# KiCad board manual.kicad_pcb (continued)
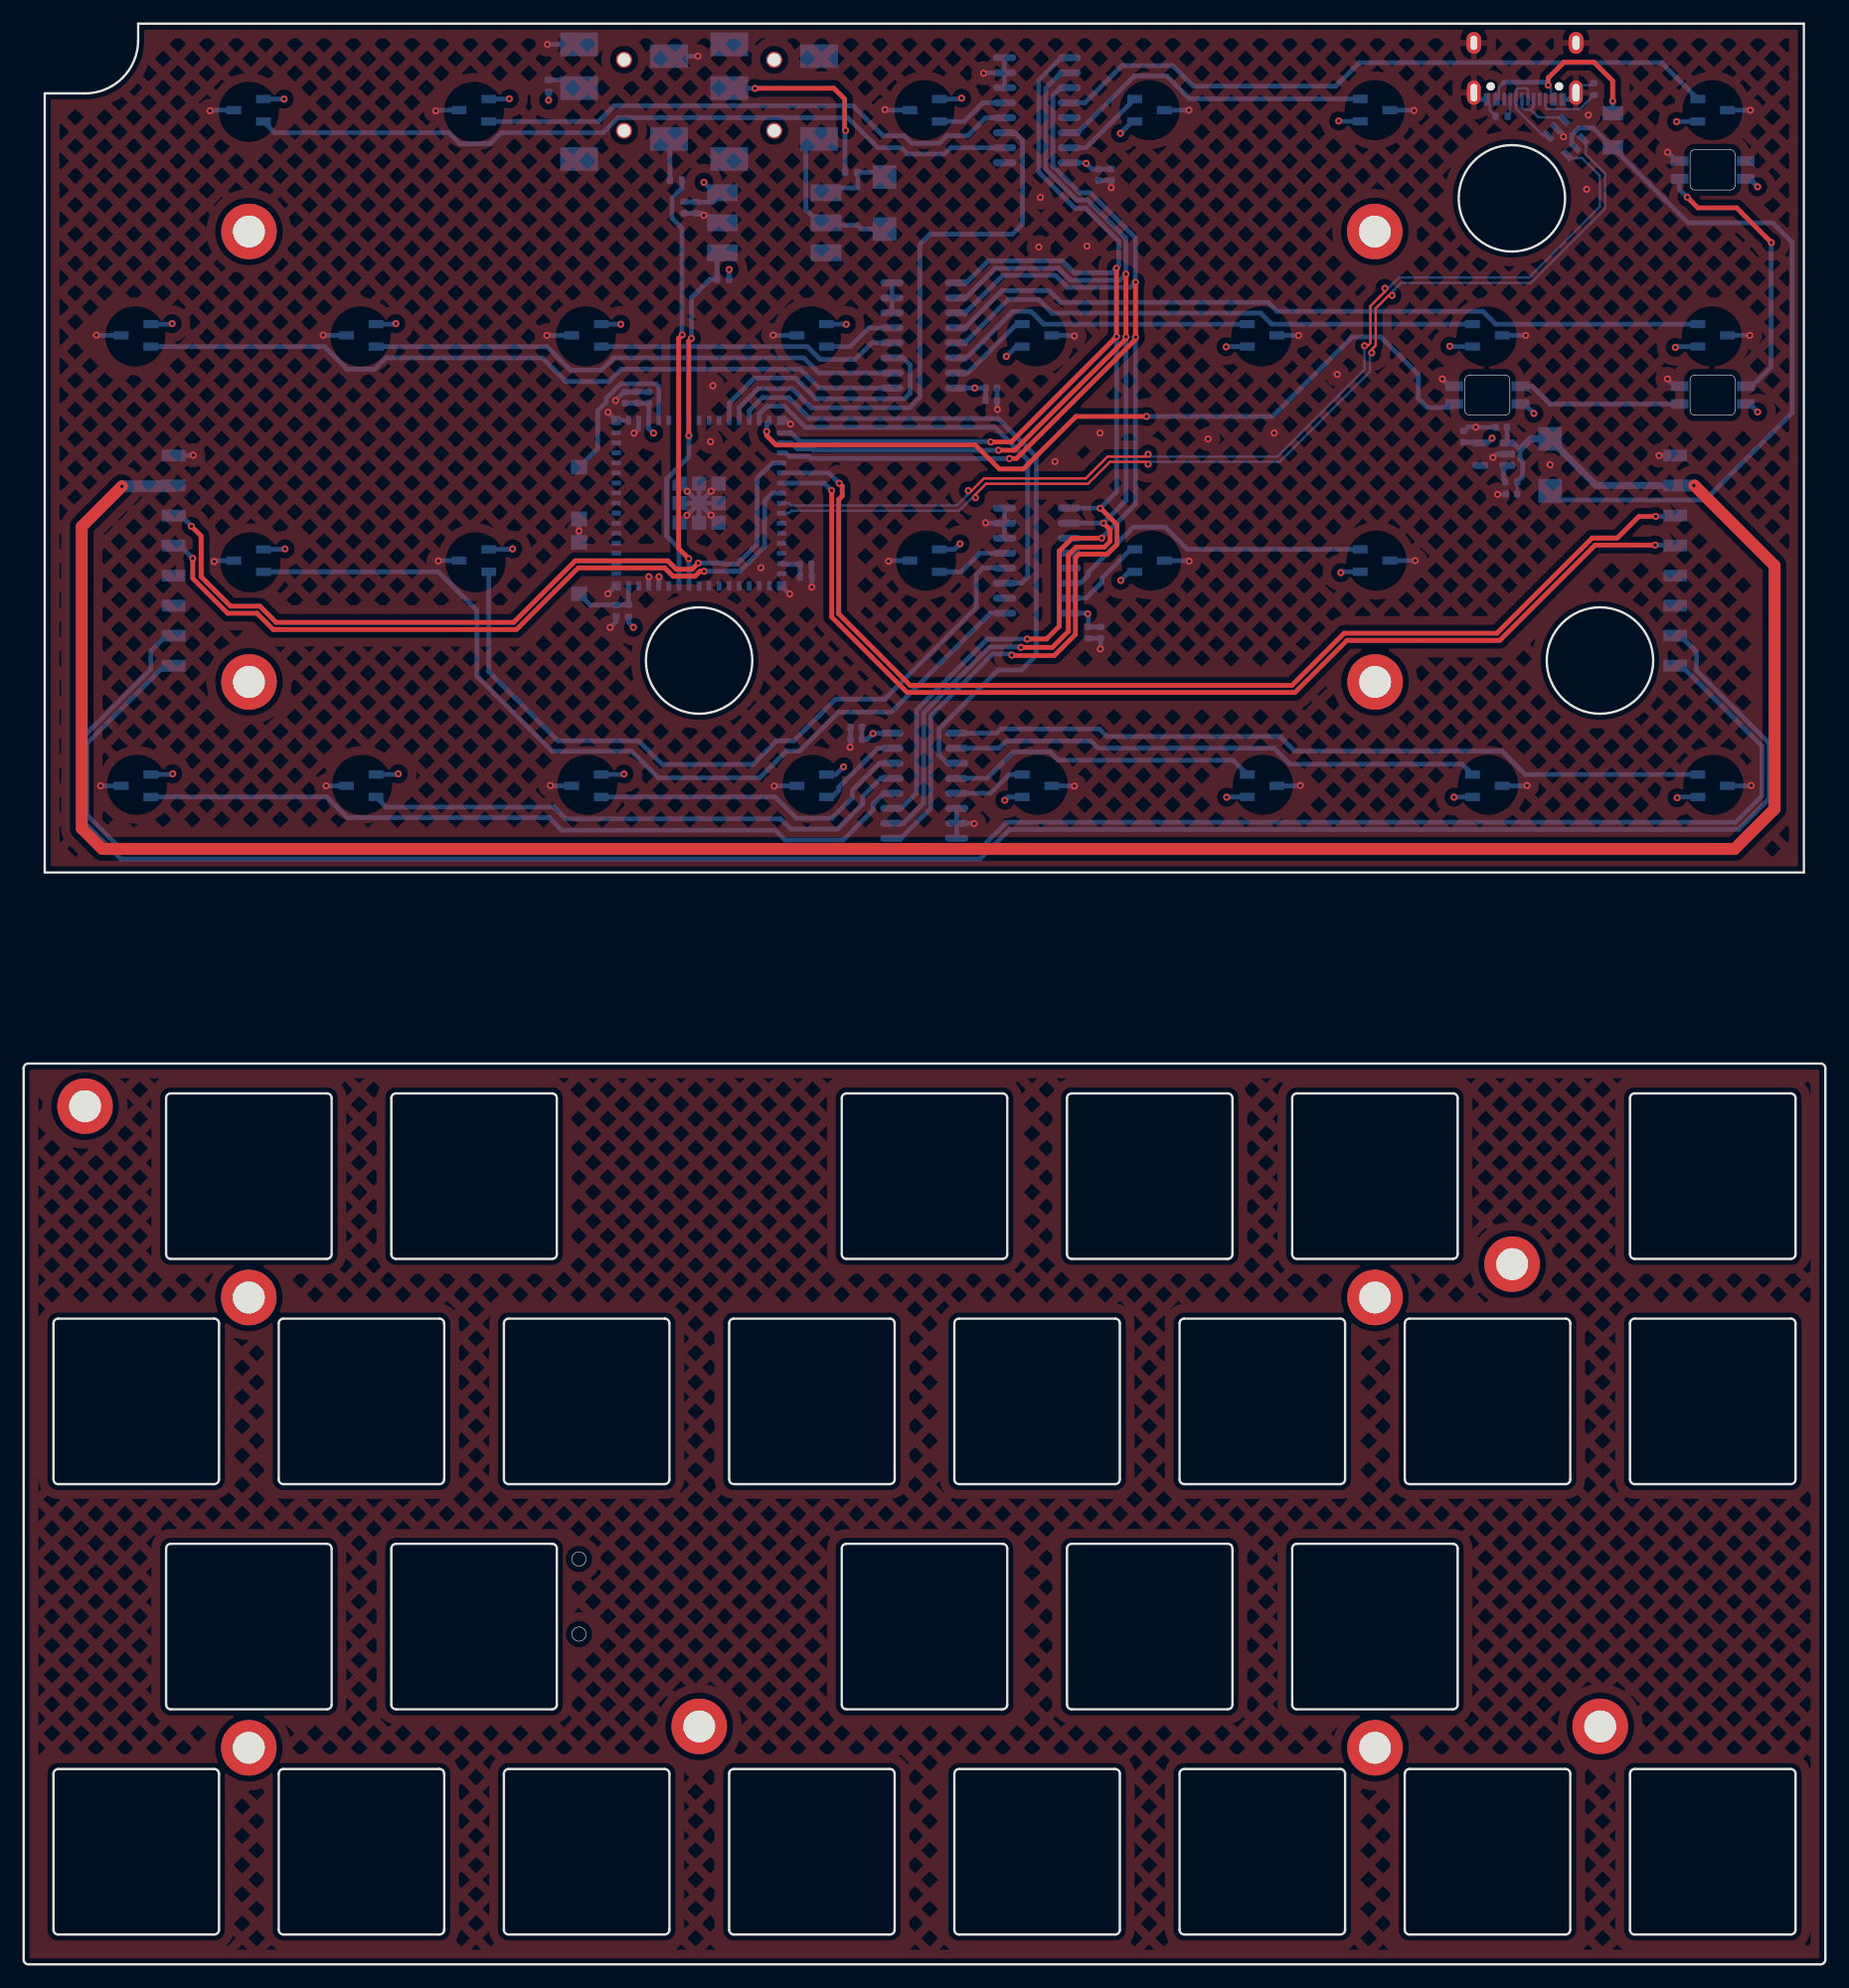
[diagram p0: board, top side]
## Footprints (pads in the part's own frame, mm; a bottom-side part is the same pattern mirrored in y, then rotated)
AUDIO-SMD_PJ-327A5JJ
  round 1.35 hole 1.1: (0,-2.45) (0,3.55)
  rect 3.2x2 smd: 1(3.8,4.85) 2(-3.8,3.85) 3(3.8,1.15) 4(-3.8,-3.15) 5(3.8,-4.85)
C_0402_1005Metric
  rrect 0.56x0.62 smd: 1(-0.48,0) 2(0.48,0)
ESP32-S2-MINI-1U
  rect 0.8x0.4 smd: 1(-7,5.95) 2(-7,5.1) 3(-7,4.25) 4(-7,3.4) 5(-7,2.55) 6(-7,1.7) 7(-7,0.85) 8(-7,0) 9(-7,-0.85) 10(-7,-1.7) 11(-7,-2.55) 12(-7,-3.4) 13(-7,-4.25) 14(-7,-5.1) 15(-7,-5.95) 31(7,-5.95) 32(7,-5.1) 33(7,-4.25) 34(7,-3.4) 35(7,-2.55) 36(7,-1.7) 37(7,-0.85) 38(7,0) 39(7,0.85) 40(7,1.7) 41(7,2.55) 42(7,3.4) 43(7,4.25) 44(7,5.1) 45(7,5.95)
  rect 0.4x0.8 smd: 16(-5.95,-7) 17(-5.1,-7) 18(-4.25,-7) 19(-3.4,-7) 20(-2.55,-7) 21(-1.7,-7) 22(-0.85,-7) 23(0,-7) 24(0.85,-7) 25(1.7,-7) 26(2.55,-7) 27(3.4,-7) 28(4.25,-7) 29(5.1,-7) 30(5.95,-7) 46(5.95,7) 47(5.1,7) 48(4.25,7) 49(3.4,7) 50(2.55,7) 51(1.7,7) 52(0.85,7) 53(0,7) 54(-0.85,7) 55(-1.7,7) 56(-2.55,7) 57(-3.4,7) 58(-4.25,7) 59(-5.1,7) 60(-5.95,7)
  rect 1.2x1.2 smd: 61(-1.65,-1.65) 61(-1.65,0) 61(0,-1.65) 61(0,0) 61(0,1.65) 61(1.65,-1.65) 61(1.65,0) 61(1.65,1.65)
  rrect 1.2x1.2 smd: 61(-1.65,1.65)
  rect 0.8x0.8 smd: 62(-7,7) 63(-7,-7) 64(7,-7) 65(7,7)
F1206
  rect 1.19x1.73 smd: 1(-1.45,0) 2(1.45,0)
HDR-SMD_8P-P2.54-H-F-L11.5
  rect 1x2 smd: 1(-8.89,0) 2(-6.35,0) 3(-3.81,0) 4(-1.27,0) 5(1.27,0) 6(3.81,0) 7(6.35,0) 8(8.89,0)
LED-SMD_L3.2-W2.8-LS5.9_SK6812MINI-E
  rect 1.5x0.82 smd: 1(2.8,0.75) 2(2.8,-0.75) 3(-2.8,-0.75) 4(-2.8,0.75)
MountingHole_2.7mm_M2.5_DIN965_Pad
  round 4.7 hole 2.7: 1(0,0)
R_0402_1005Metric
  rrect 0.54x0.64 smd: 1(-0.51,0) 2(0.51,0)
SMA_L4.3-W2.6-LS5.2-RD
  rect 2x2 smd: 1(-2.2,0) 2(2.2,0)
SMD-6_L7.3-W6.5-P2.54-LS10.2-BL
  rect 1.42x2.6 smd: 1(-2.54,-4.38) 2(0,-4.38) 3(2.54,-4.38) 4(2.54,4.38) 5(0,4.38) 6(-2.54,4.38)
SOIC-16_L9.9-W3.9-P1.27-LS6.0-BL
  oval 0.6x1.97 smd: 1(-4.45,-2.74) 2(-3.18,-2.74) 3(-1.91,-2.74) 4(-0.63,-2.74) 5(0.63,-2.74) 6(1.9,-2.74) 7(3.17,-2.74) 8(4.44,-2.74) 9(4.44,2.74) 10(3.17,2.74) 11(1.9,2.74) 12(0.63,2.74) 13(-0.63,2.74) 14(-1.91,2.74) 15(-3.18,2.74) 16(-4.45,2.74)
SOT-23-3_L2.9-W1.6-P1.90-LS2.8-BR-CW
  rect 1.25x0.7 smd: 1(1.25,-0.95) 2(-1.25,0) 3(1.25,0.95)
SOT-23-5
  rrect 1.325x0.6 smd: 1(-1.137,0.95) 2(-1.137,0) 3(-1.137,-0.95) 4(1.137,-0.95) 5(1.137,0.95)
SOT-23-6_L2.9-W1.6-P0.95-LS2.8-BL
  rect 0.53x1.07 smd: 1(-0.95,-1.15) 2(0,-1.15) 3(0.95,-1.15) 4(0.95,1.15) 5(0,1.15) 6(-0.95,1.15)
SW-SMD_L3.9-W3.0-P4.45
  rect 1.23x1.36 smd: 1(-2.18,0) 2(2.18,0)
USB-C-SMD_TYPE-C-6PIN-2MD-073
  round 0.7 hole 0.7 unplated: (-2.89,1.3) (2.89,1.3)
  rect 0.555x1.07 smd: 1(-3.203,2.395)
  rect 0.55x1.1 smd: 2(-2.4,2.38) 11(2.4,2.38)
  rect 0.3x1.1 smd: 3(-1.75,2.38) 4(-1.25,2.38) 5(-0.75,2.38) 6(-0.25,2.38) 7(0.25,2.38) 8(0.75,2.38) 9(1.25,2.38) 10(1.75,2.38)
  rect 0.55x1.07 smd: 12(3.2,2.395)
  oval 1.25x1.85 hole 0.6x1.2: 13(-4.32,-2.38) 14(4.32,-2.38)
  oval 1.15x2.05 hole 0.6x1.5: 13(-4.32,1.83) 14(4.32,1.83)

## Nets
+3V3: C1.1 C2.2 C3.2 C4.1 C5.2 C6.1 C7.2 C8.1 C9.2 C10.1 C24.1 C44.1 C45.1 C46.1 H0.1 H1.1 H2.1 H3.1 H4.1 H5.1 H6.1 H7.1 H10.1 H11.1 H12.1 H14.1 H15.1 H16.1 H17.1 H18.1 H19.1 H20.1 H21.1 H22.1 H23.1 H24.1 H26.1 H27.1 H28.1 H30.1 H31.1 LED1.1 LED2.1 LED3.1 R21.2 R23.1 R47.2 U1.3 U2.5 U4.16 U5.16 U6.16 U7.16 U10.6
GND: C1.2 C2.1 C3.1 C4.2 C5.1 C6.2 C7.1 C8.2 C9.1 C10.2 C11.2 C24.2 C25.2 C43.2 C44.2 C45.2 C46.2 C47.2 CN1.1 CN1.2 D2.2 H0.2 H1.2 H2.2 H3.2 H4.2 H5.2 H6.2 H7.2 H10.2 H11.2 H12.2 H14.2 H15.2 H16.2 H17.2 H18.2 H19.2 H20.2 H21.2 H22.2 H23.2 H24.2 H26.2 H27.2 H28.2 H30.2 H31.2 J2.8 J3.1 LED1.3 LED2.3 LED3.3 R3.1 R5.1 R58.2 SW3.2 SW4.2 U1.1 U1.2 U1.42 U1.43 U1.46 U1.47 U1.48 U1.49 U1.50 U1.51 U1.52 U1.53 U1.54 U1.55 U1.56 U1.57 U1.58 U1.59 U1.60 U1.61 U1.62 U1.63 U1.64 U1.65 U2.2 U4.6 U4.7 U4.8 U5.6 U5.7 U5.8 U6.6 U6.7 U6.8 U7.6 U7.7 U7.8 U10.5 USB1.1 USB1.12 USB1.13 USB1.14
AUDIO_L_IN: J2.2 J3.7
AUDIO_R_IN: J2.1 J3.8
DN: D2.6 U1.23
DN_PRE: D2.1 USB1.5 USB1.7
DP: D2.4 U1.24
DP_PRE: D2.3 USB1.6 USB1.8
ESP_BOOT0: SW3.1 U1.4
ESP_DBLTAP: C47.1 R58.1 U1.29
ESP_RST: C43.1 R47.1 SW4.1 U1.45
HEADER_VBUS: C11.1 C25.1 D3.1 J2.7 J3.2 R4.2 U2.1
MIDI_0_RX: R21.1 U1.40 U10.4
MIDI_0_TX: R24.1 U1.39
MIDI_1_RX: J2.6 U1.19
MIDI_1_TX: J3.3 U1.20
NEO: LED2.4 U1.15
R1_OUT: U1.13 U4.3
R2_OUT: U1.14 U5.3
R3_OUT: U1.11 U6.3
R4_OUT: U1.12 U7.3
SEL_A: U1.18 U4.11 U5.11 U6.11 U7.11
SEL_B: U1.17 U4.10 U5.10 U6.10 U7.10
SEL_C: U1.16 U4.9 U5.9 U6.9 U7.9
SMIDI_0_RX: J3.4 U1.21
SMIDI_0_TX: J2.5 U1.22
USB_VBUS: D2.5 D3.2 F1.2
Net-(CN1-Pad3): CN1.3 R23.2
Net-(CN1-Pad4): CN1.4 R24.2
Net-(CN2-Pad3): CN2.3 R22.2
Net-(D1-A): CN2.4 D1.2 U10.2
Net-(D1-K): D1.1 R22.1 U10.1
Net-(F1-Pad1): F1.1 USB1.2 USB1.11
Net-(H0-VOUT): H0.3 U4.1
Net-(H1-VOUT): H1.3 U4.2
Net-(H2-VOUT): H2.3 U4.4
Net-(H3-VOUT): H3.3 U4.5
Net-(H4-VOUT): H4.3 U4.15
Net-(H5-VOUT): H5.3 U4.14
Net-(H6-VOUT): H6.3 U4.13
Net-(H7-VOUT): H7.3 U4.12
Net-(H10-VOUT): H10.3 U5.14
Net-(H11-VOUT): H11.3 U5.15
Net-(H12-VOUT): H12.3 U5.5
Net-(H14-VOUT): H14.3 U5.4
Net-(H15-VOUT): H15.3 U5.1
Net-(H16-VOUT): H16.3 U6.12
Net-(H17-VOUT): H17.3 U6.13
Net-(H18-VOUT): H18.3 U6.14
Net-(H19-VOUT): H19.3 U6.15
Net-(H20-VOUT): H20.3 U6.5
Net-(H21-VOUT): H21.3 U6.4
Net-(H22-VOUT): H22.3 U6.2
Net-(H23-VOUT): H23.3 U6.1
Net-(H24-VOUT): H24.3 U7.12
Net-(H26-VOUT): H26.3 U7.14
Net-(H27-VOUT): H27.3 U7.15
Net-(H28-VOUT): H28.3 U7.5
Net-(H30-VOUT): H30.3 U7.4
Net-(H31-VOUT): H31.3 U7.2
Net-(LED1-DIN): LED1.4 LED2.2
Net-(LED1-DOUT): LED1.2 LED3.4
Net-(U2-EN): R4.1 U2.3
Net-(USB1-CC1): R3.2 USB1.4
Net-(USB1-CC2): R5.2 USB1.10

Pads without a net: CN1 5; CN2 1 2 5; J2 3 4; J3 5 6; LED3 2; REF** 1; REF**#2 1; REF**#3 1; REF**#4 1; REF**#5 1; REF**#6 1; REF**#7 1; REF**#8 1; REF**#9 1; REF**#10 1; REF**#11 1; REF**#12 1; U1 5 6 7 8 9 10 25 26 27 28 30 31 32 33 34 35 36 37 38 41 44; U2 4; U5 2 12 13; U7 1 13; U10 3; USB1 3 9

## Via types
v1: diameter 0.6, hole 0.3, Top to Bottom, 160 vias

## Routing (per net, layer and track width the routed paths; a pad name or vN(x,y) marks a point on that pad's centre or on a via; arc(x,y) is an arc through that point)
+3V3: length 82.9
  Bottom w0.4: v1(41.36,119.74) 41.33,119.7 H14.1 39.33,119.69 ; 123.4,128.7 123.81,128.7 v1(124.21,129.1) ; H30.1 41.07,157.79 v1(41.08,157.81) ; v1(31.48,138.79) 31.44,138.75 H22.1 ; C2.2 C10.1 80.46,133.34 v1(80.45,133.35) 80.45,133.34 U6.16 ; H17.1 120.67,136.84 v1(120.63,136.88) ; v1(92.77,154.89) 93.78,155.89 H27.1 ; v1(51.57,113.1) 51.16,113.51 R47.2 ; LED3.1 145.99,151.04 v1(146.67,150.37) ; v1(57.54,150.75) 58.43,149.86 U10.6 58.32,149.08 C8.1 56.87,149.1 C3.2 ; v1(146.67,131.32) 145.99,132 LED1.1 ; R23.1 v1(44.4,157.68) ; v1(53.29,129.53) 53.26,129.53 52.88,129.91 U1.3 52.88,132.05 C46.1 C45.1 C44.1 ; 29.81,100.64 31.62,100.64 v1(31.68,100.71) ; v1(83.12,136.02) 83.95,136.84 H19.1 84,136.84 ; v1(139.86,98.68) 139.93,98.74 H0.1 ; H16.1 139.78,136.84 v1(139.71,136.78) ; v1(92.8,117.07) 93.52,117.79 H11.1 ; H28.1 79.27,157.79 v1(79.33,157.86) ; 73.44,104.14 71.87,104.14 v1(71.84,104.11) 71.37,103.64 C1.1 C9.2 ; 10.76,100.64 12.54,100.64 v1(12.61,100.71) ; C6.1 90.94,151.87 C5.2 90.36,151.86 v1(89.88,152.35) 89.83,152.39 U7.16 ; v1(120.99,98.73) 121.01,98.74 H1.1 ; H24.1 139.83,155.89 v1(139.81,155.88) ; 48.86,100.64 50.74,100.64 v1(50.79,100.69) ; H3.1 83.26,98.74 v1(82.99,98.48) ; H31.1 22.02,157.79 v1(22.03,157.78) ; H23.1 12.52,138.75 v1(12.56,138.79) ; v1(101.76,98.73) 101.78,98.74 H2.1 ; C4.1 91.08,113.13 C7.2 90.05,114.2 v1(90,114.25) 89.96,114.29 U5.16 ; v1(111.41,117.73) 111.49,117.8 H10.1 113.05,117.79 ; v1(127.75,131.19) 126.94,132 126.61,132 ; R21.2 v1(59.68,143.37) ; v1(101.71,136.83) 101.73,136.84 H18.1 ; v1(50.51,138.73) 50.5,138.75 H21.1 ; C24.1 123.17,128.76 U2.5 ; H15.1 22.07,119.69 v1(22.11,119.74) ; 113.05,155.89 H26.1 111.27,155.9 v1(111.24,155.93) ; v1(79.21,120.17) 78.74,119.69 H12.1 ; 68.37,100.64 67.91,100.64 68.7,100.64 v1(69.35,101.3) ; v1(69.58,138.73) 69.57,138.75 H20.1
GND: length 136.5
  Bottom w0.2: R5.1 132.63,158.96 131.41,158.96 131.3,158.86 USB1.14 ; R3.1 124.04,156.79 124.04,156.93 124.01,156.93 124.01,157.24 123.78,157.46 USB1.1 ; C11.2 125.01,124.37 125,124.35 v1(124.69,124.35)
  Bottom w0.4: 82.97,120.64 82.97,121.91 ; 82.97,121.91 82.97,123.18 ; 82.97,121.91 81.4,121.91 v1(81.37,121.95) ; 125.68,127.75 124.57,127.75 v1(124.29,127.47) 124.29,127.47 ; U1.2 52.03,129.89 51.66,129.52 v1(51.62,129.52) ; USB1.12 130.74,157.76 USB1.14 ; H24.2 v1(146.06,156.84) ; 82.97,160.01 82.97,158.74 ; 82.97,160.01 82.97,161.28 ; 82.97,160.01 81.23,160.01 v1(81.19,159.97) ; U4.7 80.37,96.52 v1(80.4,96.49) ; U4.7 U4.6 ; U4.7 U4.8 78.35,95.25 ; 17.79,118.75 H15.2 16.19,118.74 v1(16.11,118.67) ; LED2.3 120.62,133.5 v1(120,134.11) ; v1(146.14,99.72) 146.11,99.69 H0.2 ; v1(98.59,118.69) 98.54,118.74 H11.2 96.49,118.75 ; C47.2 66.62,117.41 R58.2 66.68,116.51 v1(66.66,116.5) ; D2.2 129.66,155.34 130.25,154.75 v1(130.25,154.6) ; 140.06,152.54 139.79,152.54 v1(139.05,153.29) ; 140.06,133.5 139.67,133.5 v1(139.05,134.11) ; U1.61 v1(58.14,122.59) U1.61 ; U1.61 v1(56.12,124.61) U1.61 ; U1.61 U1.61 ; U1.61 v1(56.1,122.58) U1.61 ; U1.61 U1.61 ; U1.61 U1.61 ; U1.61 57.94,124.42 ; U1.61 U1.61 ; SW3.2 v1(46.98,121.25) SW4.2 ; H4.2 63.51,99.69 v1(63.48,99.67) ; CN1.1 44.31,162.41 v1(44.31,162.41) ; v1(72.86,156.9) 72.91,156.84 H28.2 ; v1(52.88,117.38) 52.88,117.38 U1.43 ; v1(53.75,117.38) 53.73,117.36 U1.42 ; U1.63 64.55,130.61 v1(64.87,130.29) ; U10.5 58.48,147.32 57.85,147.95 v1(57.52,147.95) 57.35,148.12 C8.2 56.87,148.14 C3.1 ; H14.2 35.12,118.75 v1(35.09,118.72) ; C10.2 C2.1 82.34,131.56 v1(82.37,131.53) ; H21.2 v1(44.26,137.79) ; v1(44.56,99.72) 44.59,99.69 H5.2 ; H27.2 v1(98.56,156.84) ; H6.2 v1(25.59,99.69) ; v1(49.41,115.94) 50.08,116.61 U1.65 ; v1(117.61,156.82) 117.58,156.85 H26.2 115.55,156.84 ; H1.2 127.14,99.69 v1(127.16,99.72) ; U6.8 U6.7 U6.6 ; H20.2 63.43,137.79 v1(63.41,137.82) ; v1(49.6,113.09) 49.62,113.09 50.12,113.6 C43.2 ; H10.2 117.71,118.75 v1(117.71,118.74) ; H22.2 25.36,137.79 v1(25.33,137.82) ; H17.2 v1(127.06,137.79) ; C5.1 91.97,150.9 C6.2 91.98,150.3 v1(92,150.29) ; v1(50.07,132.28) 50.07,132.31 50.78,133.02 C44.2 C45.2 C46.2 ; U1.1 U1.62 50.11,130.61 v1(49.43,131.29) ; C24.2 121.85,129.72 122.2,130.07 122.78,130.07 v1(122.82,130.03) 122.83,130.02 C25.2 ; v1(57.03,161.42) 57.03,161.41 CN1.2 ; J2.8 14.31,127.63 v1(14.34,127.66) ; v1(88.88,137.74) 88.83,137.79 H19.2 ; v1(91.07,111.27) 91.09,111.29 C4.2 91.08,112.17 C7.1 ; USB1.13 123.23,157.76 USB1.1 ; 7.99,99.69 H7.2 v1(6.51,99.69) ; H12.2 73.21,118.74 v1(73.16,118.69) ; v1(6.16,137.82) 6.18,137.79 H23.2 ; v1(138.34,127.63) J3.1 ; U1.64 64.13,116.59 v1(64.79,115.92) ; 57.94,124.42 v1(58.14,124.62) ; 57.94,124.42 U1.61 ; H18.2 v1(107.83,137.79) ; v1(69.91,102.95) 69.94,102.99 C1.2 C9.1 ; v1(34.86,156.79) 34.91,156.84 H30.2 ; v1(15.76,156.79) 15.81,156.84 H31.2 ; H3.2 88.86,99.69 v1(88.88,99.67) ; v1(107.99,99.72) 107.96,99.69 H2.2 ; H16.2 v1(146.01,137.79)
  vias: v1(58.1,128.81) v1(58.29,133.54) v1(62.36,118.14) v1(85.87,145.27) v1(86,149.46) v1(87.23,127.13) v1(89.94,145.35) v1(91.04,129.54) v1(100.19,129.03) v1(105.78,129.54) v1(111.11,134.49) v1(129.11,126.85) v1(132.2,150.15) v1(132.35,156.43)
AUDIO_L_IN: length 183.4
  Bottom w0.4: 140.22,112.39 J3.7 140.13,112.39 141.5,111.02 141.5,109.43 147.64,103.3 147.64,98.6 145.04,96.01 83.4,96.01 80.89,93.5 8.23,93.5 4.75,96.97 4.75,103.54 10.74,109.53 10.74,111.08 12.06,112.39 J2.2
AUDIO_R_IN: length 175.4
  Bottom w0.4: J2.1 11.92,109.85 5.35,103.29 5.35,97.22 8.48,94.1 80.65,94.1 83.16,96.61 144.79,96.61 147.03,98.85 147.03,103.05 140.23,109.85 J3.8
DN: length 89.3
  Top w0.2: v1(113.42,136.92) 113.71,136.92 113.91,137.12 113.91,140.26 115.14,141.5 v1(115.14,141.78) ; v1(79.9,124.66) 80.19,124.66 81.22,125.69 89.84,125.69 91.69,127.55 94.92,127.55 v1(95.11,127.74)
  Bottom w0.2: v1(113.42,136.92) 113.42,134.92 106.05,127.55 95.31,127.55 v1(95.11,127.74) ; D2.6 130.81,152.79 131.82,152.79 133.32,151.3 133.32,148.68 127.32,142.69 116.33,142.69 115.43,141.78 v1(115.14,141.78) ; U1.23 64.73,123.61 64.93,123.41 78.93,123.41 79.9,124.38 v1(79.9,124.66)
DN_PRE: length 7.2
  Bottom w0.2: USB1.7 127.23,158.58 127.11,158.7 126.36,158.7 126.23,158.58 USB1.5 126.23,156.98 128.55,154.66 D2.1
DP: length 90.3
  Top w0.2: v1(114.03,136.32) 114.03,136.6 114.36,136.94 114.36,140.08 115.46,141.18 v1(115.75,141.18) ; v1(95.11,126.89) 94.92,127.09 91.88,127.09 90.03,125.24 81.41,125.24 80.51,124.34 v1(80.51,124.06)
  Bottom w0.2: v1(80.51,124.06) 80.22,124.06 79.12,122.96 64.93,122.96 64.73,122.76 U1.24 ; v1(95.11,126.89) 95.31,127.09 106.24,127.09 113.87,134.73 113.87,136.17 v1(114.03,136.32) ; D2.4 132.14,154.15 132.14,153.11 133.77,151.48 133.77,148.5 127.51,142.23 116.52,142.23 115.75,141.46 v1(115.75,141.18)
DP_PRE: length 5.7
  Bottom w0.2: USB1.8 127.73,157.15 127.47,156.89 ; 127.47,156.89 128.12,156.24 130.05,156.24 D2.3 ; 127.47,156.89 126.91,156.89 126.73,157.06 USB1.6
ESP_BOOT0: length 14.7
  Bottom w0.4: U1.4 53.73,133.45 53.47,133.7 50.5,133.7 49.29,132.5 49.29,132.15 48.55,131.41 48.55,128.22 SW3.1
ESP_DBLTAP: length 2.6
  Bottom w0.4: R58.1 65.66,117.37 C47.1 64.2,118.43 U1.29
ESP_RST: length 6.2
  Bottom w0.4: SW4.1 47.91,114.99 C43.1 51.15,114.99 R47.1 51.16,116.59 U1.45
HEADER_VBUS: length 233.6
  Top w0.6: v1(141.27,125.1) 141.32,125.1
  Top w1: 141.32,125.1 148.09,118.33 148.09,97.73 144.72,94.35 6.66,94.35 4.91,96.09 4.91,121.63 v1(8.31,125.03)
  Bottom w0.2: C11.1 126.32,125.41 R4.2
  Bottom w0.4: R4.2 126.8,125.89 126.8,127.12 126.56,127.35 126.56,128.13 126,128.7 U2.1 125.47,128.73 C25.1
  Bottom w0.6: J3.2 133.03,125.09 129.11,129.01 D3.1 127.48,129.05 126.64,128.2 ; 141.27,125.09 v1(141.27,125.1)
  Bottom w1: J3.2 141.27,125.09 ; v1(8.31,125.03) 12.62,125.03 J2.7
MIDI_0_RX: length 30.9
  Top w0.4: v1(56.48,137.54) 56.26,137.32 v1(56.26,129.33)
  Bottom w0.4: U1.40 55.43,119.8 54.38,120.84 54.38,125.65 56.26,127.53 v1(56.26,129.33) ; U10.4 58.65,144.33 R21.1 58.05,142.54 56.48,140.98 v1(56.48,137.54)
MIDI_0_TX: length 35.5
  Top w0.4: v1(55.7,137.84) 55.4,137.53 55.4,119.77 v1(56.26,118.91)
  Bottom w0.4: v1(56.26,118.91) 56.28,118.89 U1.39 ; v1(55.7,137.84) 55.68,137.86 55.68,146.86 54.84,147.71 54.84,149.4 55.68,150.25 R24.1
MIDI_1_RX: length 66.8
  Top w0.4: v1(14.18,121.65) 15.01,120.83 15.01,117.39 17.5,114.89 19.98,114.89 21.35,113.52 41.45,113.52 46.66,118.73 54.48,118.73 55.19,118.02 56.54,118.02 56.96,118.44 56.98,118.44 v1(57.07,118.53)
  Bottom w0.4: U1.19 63.33,127.01 62.04,125.72 62.04,120.14 60.35,118.44 59.15,118.44 59.05,118.54 57.08,118.54 v1(57.07,118.53) ; v1(14.18,121.65) 14.18,121.69 13.39,122.48 12.76,122.48 J2.6
MIDI_1_TX: length 95.7
  Top w0.4: v1(138.04,122.48) 136.63,122.48 134.81,120.66 132.68,120.66 124.62,112.6 111.7,112.6 107.29,108.19 74.98,108.19 68.95,114.23 68.95,123.92 69.23,124.21 69.23,125.04 v1(68.98,125.29)
  Bottom w0.4: J3.3 139.62,122.48 v1(138.04,122.48) ; U1.20 68.12,126.16 v1(68.98,125.29)
NEO: length 69.1
  Top w0.4: v1(94.98,130.94) 89.01,130.94 84.57,126.49 82.53,126.49 80.5,128.52 63.64,128.52 62.85,129.31 v1(62.85,129.67)
  Bottom w0.4: v1(62.85,129.67) 62.85,130.38 U1.15 ; v1(94.98,130.94) 105.65,130.94 112.38,137.67 114.79,137.67 117.97,134.49 117.97,132.46 118.73,131.7 120.71,131.7 LED2.4
R1_OUT: length 59.2
  Bottom w0.4: U4.3 78.14,101.6 77.43,102.32 77.43,104.5 82.42,109.49 84.38,109.49 85.65,110.75 85.66,110.75 85.66,127.54 82.43,130.76 66.48,130.76 64.7,132.54 62.49,132.54 61.38,131.43 61.38,130.61 U1.13
R2_OUT: length 37.8
  Bottom w0.4: 82.97,116.83 84.41,116.83 84.93,117.35 84.93,127.25 82.15,130.02 66.13,130.02 64.35,131.8 62.88,131.8 62.23,131.16 62.23,130.32
R3_OUT: length 22.8
  Bottom w0.4: U1.11 59.68,130.61 59.68,132.06 61.81,134.19 65.29,134.19 67.04,132.44 74.51,132.44 74.99,132.92 74.99,135.31 74.41,135.89 73.45,135.89 U6.3
R4_OUT: length 49.3
  Bottom w0.4: 82.97,154.94 83.84,154.94 84.49,154.28 84.49,147.22 83.63,146.36 76.67,146.36 75.8,145.49 75.8,132.56 74.91,131.67 66.63,131.67 65.01,133.3 62.14,133.3 60.54,131.7 60.54,130.61 U1.12
SEL_A: length 133
  Top w0.4: v1(94.04,142.29) v1(94.04,137.65) 94.04,137.46 83.97,127.38 v1(83.38,127.38) ; v1(84.88,112.11) 86.51,112.11 87.59,113.19 87.59,119.56 88.68,120.64 v1(91.18,120.64)
  Bottom w0.4: U4.11 74.23,97.79 75.53,99.09 75.53,106.11 81.53,112.11 v1(84.88,112.11) ; U6.11 79.66,139.69 82.83,142.87 87.29,142.87 88.3,141.86 93.63,141.86 94.04,142.27 v1(94.04,142.29) 94.04,146.04 90.23,149.85 89.32,149.85 87.06,152.1 87.06,158.12 87.69,158.74 U7.11 ; 88.45,120.64 v1(91.18,120.64) 94.04,123.51 v1(94.04,137.65) ; v1(83.38,127.38) 66.56,127.38 66.38,127.56 64.75,127.56 64.45,127.86 U1.18
SEL_B: length 134.4
  Top w0.4: v1(91.33,121.91) 91.88,121.36 91.88,120.35 91.42,119.89 89.03,119.89 88.37,119.23 88.37,112.75 87.03,111.41 v1(84.36,111.41) ; v1(93.23,142.98) 93.23,137.68 v1(93.25,137.67) 93.25,137.51 83.82,128.08 v1(82.45,128.08)
  Bottom w0.4: v1(84.36,111.41) 84.32,111.45 81.71,111.45 76.13,105.86 76.13,98.23 74.42,96.52 U4.10 ; v1(82.45,128.08) 68.57,128.08 68.56,128.09 66.79,128.09 66.69,128.2 65.43,128.2 64.93,128.71 U1.17 ; v1(91.33,121.91) U5.10 ; v1(91.33,121.91) 91.12,121.91 ; v1(91.33,121.91) 93.25,123.83 v1(93.25,137.67) ; U6.10 79.68,140.96 82.19,143.47 87.54,143.47 88.55,142.46 92.72,142.46 93.23,142.97 v1(93.23,142.98) 93.23,146 89.99,149.25 89.07,149.25 86.46,151.86 86.46,158.71 87.76,160.01 U7.10
SEL_C: length 134.9
  Top w0.4: v1(92.44,143.48) 92.44,137.71 v1(92.44,137.7) 83.53,128.78 v1(81.81,128.78) ; v1(83.58,110.75) 83.62,110.71 87.17,110.71 88.97,112.5 88.97,118.98 89.27,119.29 91.67,119.29 92.48,120.11 92.48,121.78 91.09,123.17 v1(91.06,123.17)
  Bottom w0.4: v1(83.58,110.75) 83.48,110.85 81.96,110.85 76.73,105.61 76.73,97.78 74.2,95.25 U4.9 ; 88.45,161.28 87.76,161.28 85.86,159.38 85.86,151.61 88.92,148.55 89.84,148.55 92.63,145.75 92.63,143.68 v1(92.44,143.48) 92.05,143.1 88.85,143.1 87.85,144.1 81.59,144.1 79.72,142.23 U6.9 ; U1.16 64.93,129.56 65.66,128.82 81.76,128.82 v1(81.81,128.78) ; v1(92.44,137.7) 92.44,124.55 v1(91.06,123.17) 91.05,123.18 U5.9
SMIDI_0_RX: length 94.4
  Top w0.4: v1(138,120.06) 132.92,120.06 124.86,112 111.94,112 107.53,107.59 74.73,107.59 68.34,113.98 v1(68.34,124.67)
  Bottom w0.4: v1(68.34,124.67) 67.71,125.31 U1.21 ; J3.4 139.65,120.06 v1(138,120.06)
SMIDI_0_TX: length 63
  Top w0.4: v1(57.55,117.84) 57.2,117.84 56.79,117.42 54.93,117.42 54.23,118.13 46.9,118.13 41.7,112.92 21.1,112.92 19.73,114.29 17.25,114.29 14.3,117.24 v1(14.3,118.93)
  Bottom w0.4: v1(14.3,118.93) 13.43,119.8 12.9,119.8 J2.5 ; v1(57.55,117.84) 60.59,117.84 62.68,119.92 62.68,123.8 63.33,124.46 U1.22
USB_VBUS: length 62.3
  Bottom w0.4: D3.2 129.89,123.88 142.22,123.88 149.59,131.24 149.59,145.67 147.94,147.32 140.8,147.32 F1.2 132.77,155.35 131.56,155.35 130.95,154.74 130.95,154 D2.5
Net-(CN1-Pad3): length 2.9
  Bottom w0.4: R23.2 46.3,159.4 CN1.3
Net-(CN1-Pad4): length 3.5
  Bottom w0.4: R24.2 54.66,154.33 CN1.4
Net-(CN2-Pad3): length 16.4
  Top w0.4: v1(69.53,155.13) 69.44,155.21 69.44,157.79 68.54,158.69 v1(61.87,158.69)
  Bottom w0.4: v1(61.87,158.69) 59.71,158.69 CN2.3 ; v1(69.53,155.13) 69.48,155.08 R22.2
Net-(D1-A): length 14.4
  Bottom w0.4: CN2.4 66.27,154.41 66.16,154.3 66.16,148.43 67.28,147.32 U10.2 68.07,147.11 70.57,147.11 70.89,146.79 D1.2
Net-(D1-K): length 6.7
  Bottom w0.4: D1.1 72.43,151.59 R22.1 70.57,151.51 70.57,150.27 68.28,150.27 U10.1
Net-(F1-Pad1): length 16.9
  Top w0.4: v1(134.41,157.61) 134.41,159.33 132.83,160.91 130.29,160.91 128.95,159.58 v1(128.95,158.96)
  Bottom w0.2: USB1.11 129.19,157.98 129.19,158.73 v1(128.95,158.96) 128.81,159.1 ; USB1.2 124.78,157.98 124.78,158.56 124.8,158.57 124.8,158.8 125.09,159.1
  Bottom w0.4: F1.1 134.43,157.59 v1(134.41,157.61) ; 128.81,159.1 128.7,159.21 125.2,159.21 125.09,159.1
Net-(H0-VOUT): length 64.4
  Bottom w0.4: 141.61,100.64 127.03,100.64 125.04,102.63 107.5,102.63 106.27,103.86 91.64,103.86 91,104.5 82.65,104.5 82.29,104.14 78.93,104.14
Net-(H1-VOUT): length 45.1
  Bottom w0.4: U4.2 82.51,102.87 83.12,103.49 90.27,103.49 90.89,102.87 105.77,102.87 107.12,101.52 121.69,101.52 122.56,100.64
Net-(H2-VOUT): length 26.3
  Bottom w0.4: U4.4 81.48,100.32 83.72,102.56 86.84,102.56 87.53,101.86 102.29,101.86 103.51,100.64
Net-(H3-VOUT): length 6.2
  Bottom w0.4: 78.93,99.06 81.78,99.06 83.36,100.64 84.46,100.64
Net-(H4-VOUT): length 7.4
  Bottom w0.4: H4.3 68.38,98.74 68.95,99.31 68.95,99.57 72.25,102.87 U4.15
Net-(H5-VOUT): length 27.6
  Bottom w0.4: H5.3 63.58,98.74 65.38,96.95 68.36,96.95 70.09,98.68 70.09,99.31 72.38,101.6 U4.14
Net-(H6-VOUT): length 46.9
  Bottom w0.4: H6.3 30.65,97.9 44.85,97.9 45.85,96.9 64.03,96.9 64.9,96.03 68.84,96.03 70.98,98.17 70.98,98.81 72.5,100.32 U4.13
Net-(H7-VOUT): length 66.1
  Bottom w0.4: 73.44,99.06 72.76,99.06 71.87,98.17 71.87,97.66 69.31,95.11 64.41,95.11 63.58,95.94 45.51,95.94 44.45,97 27.4,97 25.65,98.74 H7.3
Net-(H10-VOUT): length 27.5
  Bottom w0.4: H10.3 98.44,119.7 96.55,121.58 93.88,121.58 90.03,117.73 90.03,117.47 89.39,116.83 U5.14
Net-(H11-VOUT): length 7.4
  Bottom w0.4: U5.15 89.85,115.56 91.21,116.92 91.21,117.26 93.64,119.69 H11.3
Net-(H12-VOUT): length 6.2
  Bottom w0.4: 82.97,119.37 80.88,119.37 79.3,117.79 H12.3
Net-(H14-VOUT): length 63.9
  Bottom w0.4: H14.3 39.34,109.37 45.2,103.5 52,103.5 54.01,101.5 61.7,101.5 63.66,103.47 63.66,103.5 65.15,103.5 68.67,107.03 72.82,107.03 80.57,114.78 80.57,117.54 81.14,118.11 82.97,118.11
Net-(H15-VOUT): length 78.9
  Bottom w0.4: 82.97,114.29 81.77,114.29 73.41,105.93 68.94,105.93 65.62,102.62 64.5,102.62 62.26,100.37 53.68,100.37 51.43,102.62 44.69,102.62 38.34,108.97 38.34,114.54 35.08,117.79 H15.3
Net-(H16-VOUT): length 65.2
  Bottom w0.4: U6.12 79.6,138.42 82.75,141.58 86.75,141.58 87.74,140.59 105.27,140.59 106.03,139.83 123.43,139.83 124.51,138.75 H16.3
Net-(H17-VOUT): length 46
  Bottom w0.4: U6.13 79.61,137.16 83.29,140.84 85.84,140.84 87,139.68 104.63,139.68 105.56,138.75 H17.3
Net-(H18-VOUT): length 26.7
  Bottom w0.4: U6.14 79.74,135.88 83.68,139.83 85.2,139.83 86.28,138.75 H18.3
Net-(H19-VOUT): length 7.2
  Bottom w0.4: U6.15 79.86,134.61 83.99,138.75 H19.3
Net-(H20-VOUT): length 6.2
  Bottom w0.4: H20.3 69.9,136.84 71.48,138.42 U6.5
Net-(H21-VOUT): length 25.6
  Bottom w0.4: U6.4 71.75,137.16 70.34,135.76 67.37,135.76 66.29,136.84 H21.3
Net-(H22-VOUT): length 45.4
  Bottom w0.4: U6.2 67.27,134.61 66,135.89 49.88,135.89 49.88,135.88 48.87,134.87 46.23,134.87 45.06,136.04 45.06,136.05 44.27,136.84 H22.3
Net-(H23-VOUT): length 65.8
  Bottom w0.4: H23.3 25.44,136.84 27.32,134.96 27.32,134.94 29.68,134.94 30.63,135.89 43.87,135.89 45.87,133.89 49.51,133.89 50.56,134.94 65.71,134.94 67.3,133.34 U6.1
Net-(H24-VOUT): length 57.3
  Bottom w0.4: U7.12 89.77,157.47 92.91,160.62 97.19,160.62 98.93,158.88 110.98,158.88 112.97,160.86 138.54,160.86 H24.3
Net-(H26-VOUT): length 27.4
  Bottom w0.4: U7.14 89.13,154.94 93.94,159.74 96.69,159.74 98.63,157.8 H26.3
Net-(H27-VOUT): length 7.2
  Bottom w0.4: H27.3 89.85,153.66 U7.15
Net-(H28-VOUT): length 6.2
  Bottom w0.4: H28.3 79.55,155.89 81.13,157.47 82.97,157.47
Net-(H30-VOUT): length 46.4
  Bottom w0.4: H30.3 48.63,155.89 49.96,157.23 70.15,157.23 72.69,154.69 74.49,154.69 75.13,154.04 77.44,154.04 78.08,154.69 79.87,154.69 81.4,156.21 82.97,156.21
Net-(H31-VOUT): length 65.9
  Bottom w0.4: H31.3 21.24,154.94 35.95,154.94 36.88,154.01 39.45,154.01 40.38,154.94 49.01,154.94 50.28,156.21 69.71,156.21 72.25,153.66 74.23,153.66 74.75,153.14 77.9,153.14 78.42,153.66 82.97,153.66
Net-(LED1-DIN): length 14.1
  Bottom w0.4: 140.06,132 129.19,132 129.14,131.95 127.6,133.5 126.61,133.5
Net-(LED1-DOUT): length 23.9
  Top w0.4: v1(140.72,149.48) 141.61,148.59 144.89,148.59 v1(147.83,145.65)
  Bottom w0.4: LED1.2 146.18,133.5 147.81,135.13 147.81,144.91 147.83,144.93 v1(147.83,145.65) ; 140.06,151.04 140.06,150.14 v1(140.72,149.48)
Net-(U2-EN): length 2
  Bottom w0.4: 125.04,126.8 U2.3 125.19,126.49 125.19,125.57 R4.1
Net-(USB1-CC1): length 1.5
  Bottom w0.2: R3.2 125.73,156.54 USB1.4
Net-(USB1-CC2): length 5.4
  Bottom w0.2: USB1.10 128.73,157 128.81,156.93 131.62,156.93 R5.2

## Copper pours and planes (outline as drawn; the poured copper is in the pictures)
+3V3 on In2.Cu: 154.67,170.94 153.91,88.14 -18.3,87.38 -19.83,170.69
GND on Top, Bottom: 156.26,177.28 158.61,85.46 -6.72,84.99 -6.49,185.74
GND on In1.Cu: 175.25,90.05 175.25,169.15 -2.3,167.13 -1.79,88.9
(no net) on Top, Bottom, In1.Cu, In2.Cu: -5.09,80.64 157.47,80.64 157.47,-3.18 -5.09,-3.18
